# Altium PCB PCB1.PcbDoc (part 1 of 2) (continued)
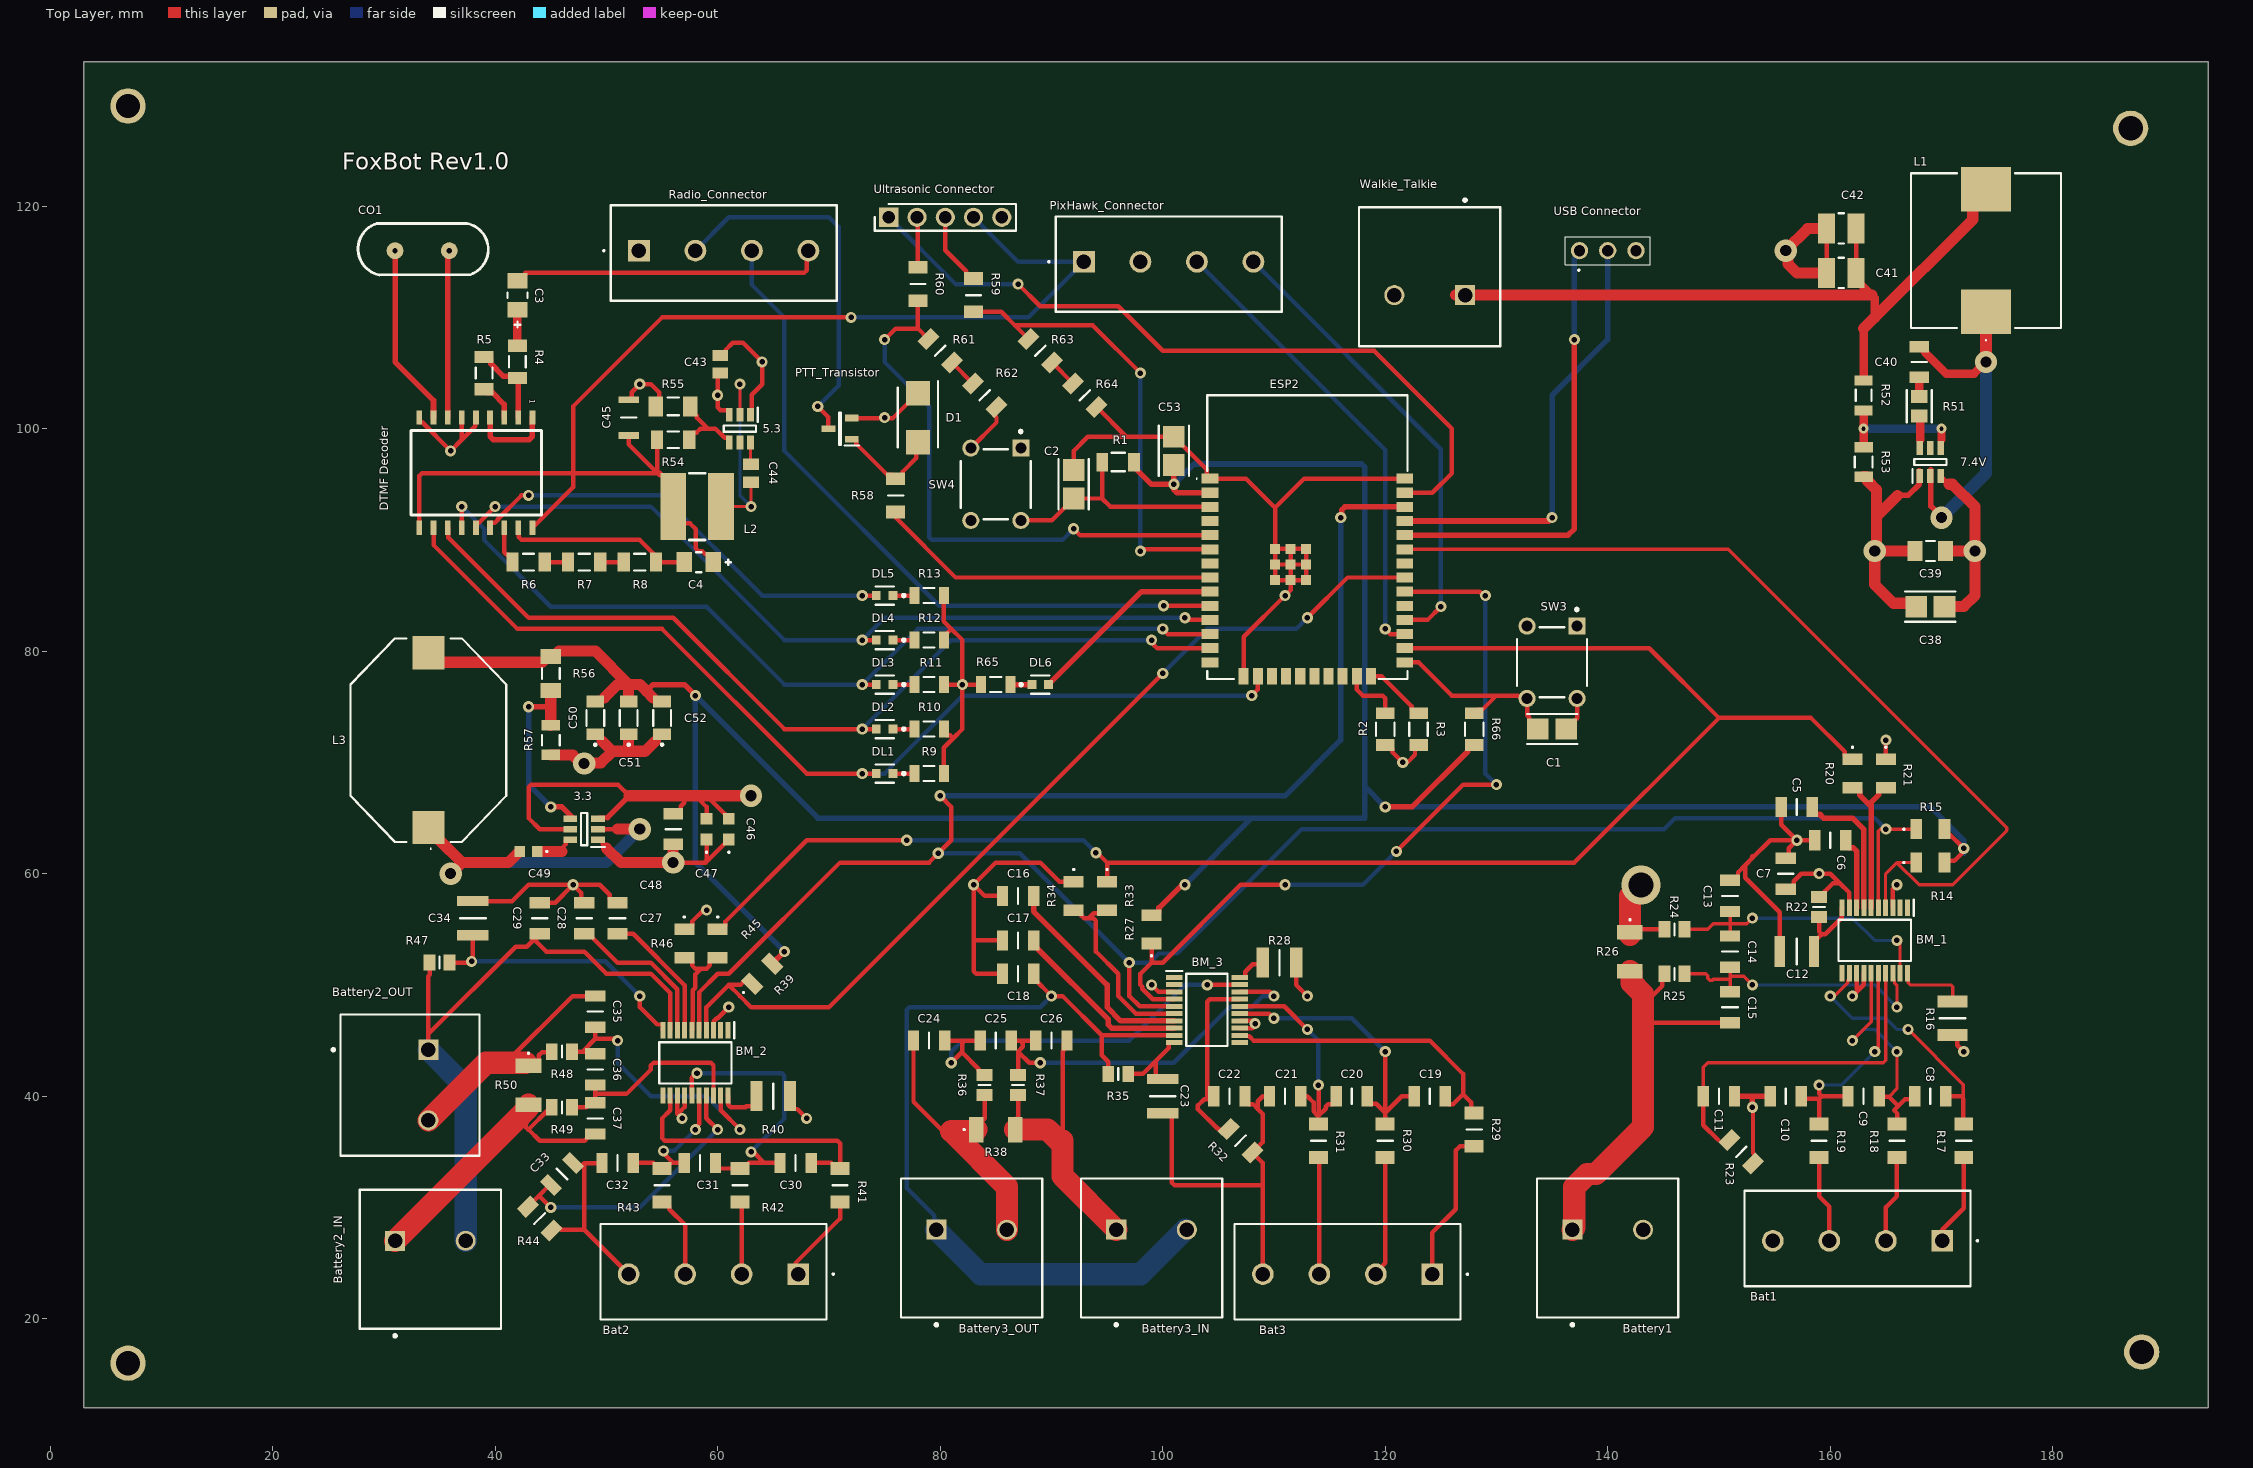
[diagram p0: Top Layer view]
## Design rules (kind name [scope] priority, off if disabled: settings)
Clearance [All] p1: gap=0.127 ignorepadtopadclearanceinfootprint=FALSE
ComponentClearance [All] p1 off: gap=0.254 collisioncheckmode=3 verticalgap=0.254 showdistances=FALSE
DiffPairsRouting [All] p1: maxlimit=0.406 minlimit=0.33 mostfreqgap=0.406 toplayer_maxgap=0.33 toplayer_prefgap=0.33 toplayer_minwidth=0.188 toplayer_maxwidth=0.33 toplayer_prefwidth=0.188 midlayer1_mingap=0.406 midlayer1_minwidth=0.152 midlayer1_maxwidth=0.152 midlayer1_prefwidth=0.152 midlayer2_mingap=0.406 midlayer2_minwidth=0.152 midlayer2_maxwidth=0.152 midlayer2_prefwidth=0.152 bottomlayer_maxgap=0.33 bottomlayer_prefgap=0.33 bottomlayer_minwidth=0.188 bottomlayer_maxwidth=0.33 bottomlayer_prefwidth=0.188 maxuncoupledlength=12.7
FabricationTestPointUsage TestPointUsage [All] p1: valid=0 allowmultiple=FALSE
FabricationTestpoint Testpoint [All] p1: side=3 testpointundercomponent=TRUE minsize=1.016 maxsize=2.54 preferedsize=1.524 minholesize=0.508 maxholesize=1.016 preferedholesize=0.813 testpointgrid=0.025 allowsidetop=TRUE allowsidebottom=TRUE usegrid=TRUE gridtolerance=0
Height [All] p1 off: minheight=0 maxheight=25.4 prefheight=12.7
HoleSize [All] p1: absolutevalues=TRUE maxlimit=20.32 minlimit=0.254 maxpercent=80.000 minpercent=20.000
MatchedLengths MatchedLengths_I210Rx [InNetClass('I210Rx')] p1: tolerance=0.127 checknetsindiffpair=FALSE checkdiffpairvsdiffpair=TRUE checkxsignals=TRUE checkothers=TRUE
MatchedLengths MatchedLengths_I210Tx [InNetClass('I210Tx')] p2: tolerance=0.127 checknetsindiffpair=FALSE checkdiffpairvsdiffpair=TRUE checkxsignals=TRUE checkothers=TRUE
MatchedLengths MatchedLengths_mSATARx [InNetClass('mSATARx')] p3: tolerance=0.635 checknetsindiffpair=FALSE checkdiffpairvsdiffpair=TRUE checkxsignals=TRUE checkothers=TRUE
MatchedLengths MatchedLengths_mSATATx [InNetClass('mSATATx')] p4: tolerance=0.635 checknetsindiffpair=FALSE checkdiffpairvsdiffpair=TRUE checkxsignals=TRUE checkothers=TRUE
MatchedLengths MatchedLengths_PCIECLK [InNetClass('PCIECLK')] p5: tolerance=0.635 checknetsindiffpair=FALSE checkdiffpairvsdiffpair=TRUE checkxsignals=TRUE checkothers=TRUE
MatchedLengths MatchedLengths_PCIETx [InNetClass('PCIETx')] p6: tolerance=0.127 checknetsindiffpair=FALSE checkdiffpairvsdiffpair=TRUE checkxsignals=TRUE checkothers=TRUE
MatchedLengths MatchedLengths_PCIERx [InNetClass('PCIERx')] p7: tolerance=0.127 checknetsindiffpair=FALSE checkdiffpairvsdiffpair=TRUE checkxsignals=TRUE checkothers=TRUE
MinimumSolderMaskSliver [All] p1: minsoldermaskwidth=0.127
PlaneConnect [All] p1: planeconnectstyle=Relief reliefexpansion=0.508 reliefentries=4 reliefconductorwidth=0.381 reliefairgap=0.254
PolygonConnect [All] p1: connectstyle=Direct reliefconductorwidth=0.508 reliefentries=4 polygonreliefangle="90 Angle" airgapwidth=0.762
RoutingVias [All] p1: holewidth=0.508 width=1.016 viastyle="Through Hole" minholewidth=0.381 minwidth=0.889 maxholewidth=0.711 maxwidth=1.27
SilkToSilkClearance [All] p1: silktosilkclearance=0.127
SilkToSolderMaskClearance SilkscreenOverComponentPads [IsPad] p1: minsilkscreentomaskgap=0.127 clearancetoexposedcopper=TRUE
SolderMaskExpansion [All] p1: expansion=0.102 istentingtop=FALSE
SupplyNets "Schematic Supply Nets_33" [InNet('Morse_LED')] p1: voltage=0.000
SupplyNets "Schematic Supply Nets_32" [InNet('Q4')] p2: voltage=0.000
SupplyNets "Schematic Supply Nets_31" [InNet('RX_USB')] p3: voltage=0.000
SupplyNets "Schematic Supply Nets_30" [InNet('TX_USB')] p4: voltage=0.000
SupplyNets "Schematic Supply Nets_29" [InNet('Q2')] p5: voltage=0.000
SupplyNets "Schematic Supply Nets_28" [InNet('GND_MIC')] p6: voltage=0.000
SupplyNets "Schematic Supply Nets_27" [InNet('Q1')] p7: voltage=0.000
SupplyNets "Schematic Supply Nets_26" [InNet('Q3')] p8: voltage=0.000
SupplyNets "Schematic Supply Nets_25" [InNet('BM_SCL')] p9: voltage=0.000
SupplyNets "Schematic Supply Nets_24" [InNet('VCC_Bat2')] p10: voltage=0.000
SupplyNets "Schematic Supply Nets_23" [InNet('BM3_SDA')] p11: voltage=0.000
SupplyNets "Schematic Supply Nets_22" [InNet('US_Echo2')] p12: voltage=0.000
SupplyNets "Schematic Supply Nets_21" [InNet('VCC_Bat3')] p13: voltage=0.000
SupplyNets "Schematic Supply Nets_20" [InNet('BM_trig')] p14: voltage=0.000
SupplyNets "Schematic Supply Nets_19" [InNet('US_Echo1')] p15: voltage=0.000
SupplyNets "Schematic Supply Nets_18" [InNet('GND_BAT_2')] p16: voltage=0.000
SupplyNets "Schematic Supply Nets_17" [InNet('US_Trig')] p17: voltage=0.000
SupplyNets "Schematic Supply Nets_16" [InNet('7.4V')] p18: voltage=0.000
SupplyNets "Schematic Supply Nets_15" [InNet('BM2_SDA')] p19: voltage=0.000
SupplyNets "Schematic Supply Nets_14" [InNet('Ultra_Echo_1')] p20: voltage=0.000
SupplyNets "Schematic Supply Nets_12" [InNet('RX_PIX')] p21: voltage=0.000
SupplyNets "Schematic Supply Nets_11" [InNet('TX_PIX')] p22: voltage=0.000
SupplyNets "Schematic Supply Nets_10" [InNet('BM1_SDA')] p23: voltage=0.000
SupplyNets "Schematic Supply Nets_9" [InNet('Transmit_DAC')] p24: voltage=0.000
SupplyNets "Schematic Supply Nets_8" [InNet('PTT_Trans')] p25: voltage=0.000
SupplyNets "Schematic Supply Nets_7" [InNet('GND_BAT_3')] p26: voltage=0.000
SupplyNets "Schematic Supply Nets_6" [InNet('3V3')] p27: voltage=0.000
SupplyNets "Schematic Supply Nets_5" [InNet('GND_BAT_1')] p28: voltage=0.000
SupplyNets "Schematic Supply Nets_4" [InNet('Ultra_Echo_2')] p29: voltage=0.000
SupplyNets "Schematic Supply Nets_3" [InNet('5.3V')] p30: voltage=0.000
SupplyNets "Schematic Supply Nets_2" [InNet('Radio_IN')] p31: voltage=0.000
SupplyNets "Schematic Supply Nets_1" [InNet('VCC')] p32: voltage=0.000
SupplyNets "Schematic Supply Nets" [InNet('GND')] p33: voltage=0.000
Width [All] p1: maxlimit=12.7 minlimit=0.127 preferedwidth=0.254
20 further rules are at their usual default settings.

## Components (designator, comment, footprint, x,y, rotation, side; value= is the part's Value field where it differs from the comment)
3.3 "TPS565201DDCR" TPS565201DDCR 48,64 r180 top
5.3 "TPS54308" TPS54308 62,100 r270 top
7.4V "TPS56339DDCR" TPS56339DDCR 169,97 r90 top
Bat1 "1731857" 1731857 170.08,27 r180 top
Bat2 "1731857" 1731857 67.24,24 r180 top
Bat3 "1731857" 1731857 124.24,24 r180 top
Battery1 "1714955" PHOE-1714955_V 140,28 r0 top
Battery2_IN "1714955" PHOE-1714955_V 34.175,27 r0 top
Battery2_OUT "1714955" PHOE-1714955_V 34,41 r270 top
Battery3_IN "1714955" PHOE-1714955_V 99,28 r0 top
Battery3_OUT "1714955" PHOE-1714955_V 82.825,28 r0 top
BM_1 "BQ7692003PWR" BQ7692003PWR 164,54 r270 top
BM_2 "BQ7692003PWR" BQ7692003PWR 58,43 r270 top
BM_3 "BQ7692003PWR" BQ7692003PWR 103.974,47.75 r0 top
C1 "100 nF 250V" FP-C3216-160-0_2-IPC_A 135,73 r180 top
C2 "100 nF 250V" FP-C3216-160-0_2-IPC_A 92,95 r270 top
C3 "10uF" FP-TAJA-MFG 42,112 r270 top
C4 "10uF" FP-TAJA-MFG 58.3,88 r0 top
C5 "12065C105JAZ2A" 12065C105JAZ2A 157,66 r0 top
C6 "12065C475K4Z2A" 12065C475K4Z2A 160,63 r0 top
C7 "12065C105JAZ2A" 12065C105JAZ2A 156,60 r270 top
C8 "12065C105JAZ2A" 12065C105JAZ2A 169,40 r0 top
C9 "12065C105JAZ2A" 12065C105JAZ2A 163,40 r0 top
C10 "12065C105JAZ2A" 12065C105JAZ2A 156,40 r0 top
C11 "12065C105JAZ2A" 12065C105JAZ2A 150,40 r0 top
C12 "C3225X7R2A106K250AC" C3225X7R2A106K250AC 157,53 r0 top
C13 "C1206C104K5RAC7867" C1206C104K5RAC7867 151,58 r270 top
C14 "C1206C104K5RAC7867" C1206C104K5RAC7867 151,53 r270 top
C15 "C1206C104K5RAC7867" C1206C104K5RAC7867 151,48 r270 top
C16 "12065C105JAZ2A" 12065C105JAZ2A 87,58 r0 top
C17 "12065C475K4Z2A" 12065C475K4Z2A 87,54 r0 top
C18 "12065C105JAZ2A" 12065C105JAZ2A 87,51 r0 top
C19 "12065C105JAZ2A" 12065C105JAZ2A 124,40 r0 top
C20 "12065C105JAZ2A" 12065C105JAZ2A 117,40 r0 top
C21 "12065C105JAZ2A" 12065C105JAZ2A 111,40 r0 top
C22 "12065C105JAZ2A" 12065C105JAZ2A 106,40 r0 top
C23 "C3225X7R2A106K250AC" C3225X7R2A106K250AC 100,40 r90 top
C24 "C1206C104K5RAC7867" C1206C104K5RAC7867 79,45 r0 top
C25 "C1206C104K5RAC7867" C1206C104K5RAC7867 85,45 r0 top
C26 "C1206C104K5RAC7867" C1206C104K5RAC7867 90,45 r0 top
C27 "12065C105JAZ2A" 12065C105JAZ2A 51,56 r270 top
C28 "12065C475K4Z2A" 12065C475K4Z2A 48,56 r270 top
C29 "12065C105JAZ2A" 12065C105JAZ2A 44,56 r270 top
C30 "12065C105JAZ2A" 12065C105JAZ2A 67,34 r0 top
C31 "12065C105JAZ2A" 12065C105JAZ2A 58.4,34 r0 top
C32 "12065C105JAZ2A" 12065C105JAZ2A 51,34 r0 top
C33 "12065C105JAZ2A" 12065C105JAZ2A 46,33 r45 top
C34 "C3225X7R2A106K250AC" C3225X7R2A106K250AC 38,56 r270 top
C35 "C1206C104K5RAC7867" C1206C104K5RAC7867 49,47.6 r270 top
C36 "C1206C104K5RAC7867" C1206C104K5RAC7867 49,42.4 r270 top
C37 "C1206C104K5RAC7867" C1206C104K5RAC7867 49,38 r270 top
C38 "C3216X5R1E336M160AC" FP-C3216-160-0_2-IPC_A 169,84 r180 top
C39 "GRM31C5C1H104JA01K" FP-GRM31C-0_2-e0_3_0_8-IPC_B 169,89 r180 top
C40 "GRM319R72A104KA01D" GRM319R72A104KA01D 168,106 r90 top
C41 "TMK325B7226KMHP" FP-1210-L_3_2_0_3-W_2_5_0-IPC_B 161,114 r180 top
C42 "TMK325B7226KMHP" FP-1210-L_3_2_0_3-W_2_5_0-IPC_B 161,118 r180 top
C43 "TMK212BJ474KD-T" TMK212BJ474KD-T 60.215,105.79 r270 top
C44 "08053C104KAT2A" 08053C104KAT2A 63,96 r270 top
C45 "C3216X5R1E336M160AC" C3216X5R1E336M160AC 52,101 r270 top
C46 "C2012X5R1V106K085AC" C2012X5R1V106K085AC 61,64 r90 top
C47 "C2012X5R1V106K085AC" C2012X5R1V106K085AC 59,64 r90 top
C48 "GRM32NR72A104KA01L" GRM319R72A104KA01D 56,64 r90 top
C49 "C0603C104M3VACTU" C0603C104M3VACTU 43,62 r180 top
C50 "GRM31CR71A226KE15L" GRM31CR71A226KE15L 49,74 r90 top
C51 "GRM31CR71A226KE15L" GRM31CR71A226KE15L 52,74 r90 top
C52 "GRM31CR71A226KE15L" GRM31CR71A226KE15L 55,74 r90 top
C53 "100 nF 250V" FP-C3216-160-0_2-IPC_A 101,98 r90 top
CO1 "=value" A-3.579545-18 35.953,116 r180 top
D1 "TPSMB75A-L" TPSMB75A-L 78,101 r270 top
DL1 "Red/Clear LED" FP-LTST-C190KRKT-MFG 75,69 r180 top
DL2 "Red/Clear LED" FP-LTST-C190KRKT-MFG 75,73 r180 top
DL3 "Red/Clear LED" FP-LTST-C190KRKT-MFG 75,77 r180 top
DL4 "Red/Clear LED" FP-LTST-C190KRKT-MFG 75,81 r180 top
DL5 "Red/Clear LED" FP-LTST-C190KRKT-MFG 75,85 r180 top
DL6 "Red/Clear LED" FP-LTST-C190KRKT-MFG 89,77 r0 top
"DTMF Decoder" "=value" MT8870DSR1 43.35,101 r270 top
ESP2 "ESP32-WROOM-32E-N16" ESP32WROOM32EN16 113,90 r0 top
L1 "SRP1250-7R8M" SRP1250-7R8M 174,116 r90 top
L2 "SRN6045-6R8Y" SRN6045 58.15,93 r180 top
L3 "SDR1806-2R2ML" SDR1806-2R2ML 34,72 r90 top
PixHawk_Connector "1731857" 1731857 92.92,115 r0 top
PTT_Transistor "MMBT2222ALT1G" MMBT2222ALT1G 71,100 r180 top
R1 "10k" FP-CR1206-IPC_B 96,97 r180 top
R2 "10k" FP-CR1206-IPC_B 120,73 r90 top
R3 "10k" FP-CR1206-IPC_B 123,73 r90 top
R4 "100k" RESC3216X60X45NL10T20 42,106 r270 top
R5 "100k" RESC3216X60X45NL10T20 39,105 r270 top
R6 "100k" RESC3216X60X45NL10T20 43,88 r0 top
R7 "100k" RESC3216X60X45NL10T20 48,88 r0 top
R8 "100k" RESC3216X60X45NL10T20 53,88 r0 top
R9 "470ohm" RESC3216X70X50LL05T20 79,69 r180 top
R10 "470ohm" RESC3216X70X50LL05T20 79,73 r180 top
R11 "470ohm" RESC3216X70X50LL05T20 79,77 r180 top
R12 "470ohm" RESC3216X70X50LL05T20 79,81 r180 top
R13 "470ohm" RESC3216X70X50LL05T20 79,85 r180 top
R14 "RCC120610K0FKEA" RCC120610K0FKEA 169,61 r0 top
R15 "RCC120610K0FKEA" RCC120610K0FKEA 169,64 r0 top
R16 "CRCW12101M00FKEAHP" CRCW12101M00FKEAHP 171,47 r270 top
R17 "ERA-8AEB102V" ERA-8AEB102V 172,36 r270 top
R18 "ERA-8AEB102V" ERA-8AEB102V 166,36 r270 top
R19 "ERA-8AEB102V" ERA-8AEB102V 159,36 r270 top
R20 "RCC120610K0FKEA" RCC120610K0FKEA 162,69 r270 top
R21 "RCC120610K0FKEA" RCC120610K0FKEA 165,69 r270 top
R22 "RN73C2A100RBTDF" RN73C2A100RBTDF 159,57 r270 top
R23 "ERA-8AEB102V" ERA-8AEB102V 152,35 r315 top
R24 "RN73C2A100RBTDF" RN73C2A100RBTDF 146,55 r0 top
R25 "RN73C2A100RBTDF" RN73C2A100RBTDF 146,51 r0 top
R26 "ERJ-L14KJ20MU" ERJ-L14KJ20MU 142,53 r270 top
R27 "RCC120610K0FKEA" RCC120610K0FKEA 99,55 r90 top
R28 "CRCW12101M00FKEAHP" CRCW12101M00FKEAHP 110.5,52 r0 top
R29 "ERA-8AEB102V" ERA-8AEB102V 128,37 r270 top
R30 "ERA-8AEB102V" ERA-8AEB102V 120,36 r270 top
R31 "ERA-8AEB102V" ERA-8AEB102V 114,36 r270 top
R32 "ERA-8AEB102V" ERA-8AEB102V 107,36 r315 top
R33 "RCC120610K0FKEA" RCC120610K0FKEA 95,58 r270 top
R34 "RCC120610K0FKEA" RCC120610K0FKEA 92,58 r270 top
R35 "RN73C2A100RBTDF" RN73C2A100RBTDF 96,42 r0 top
R36 "RN73C2A100RBTDF" RN73C2A100RBTDF 84,41 r90 top
R37 "RN73C2A100RBTDF" RN73C2A100RBTDF 87,41 r90 top
R38 "ERJ-L14KJ20MU" ERJ-L14KJ20MU 85,37 r0 top
R39 "RCC120610K0FKEA" RCC120610K0FKEA 64,51 r45 top
R40 "CRCW12101M00FKEAHP" CRCW12101M00FKEAHP 65,40 r0 top
R41 "ERA-8AEB102V" ERA-8AEB102V 71,32 r270 top
R42 "ERA-8AEB102V" ERA-8AEB102V 62,32 r270 top
R43 "ERA-8AEB102V" ERA-8AEB102V 55,32 r270 top
R44 "ERA-8AEB102V" ERA-8AEB102V 44,29 r315 top
R45 "RCC120610K0FKEA" RCC120610K0FKEA 60,53.725 r270 top
R46 "RCC120610K0FKEA" RCC120610K0FKEA 57,53.725 r270 top
R47 "RN73C2A100RBTDF" RN73C2A100RBTDF 35,52 r0 top
R48 "RN73C2A100RBTDF" RN73C2A100RBTDF 46,44 r0 top
R49 "RN73C2A100RBTDF" RN73C2A100RBTDF 46,39 r0 top
R50 "ERJ-L14KJ20MU" ERJ-L14KJ20MU 43,41 r270 top
R51 "RR1220Q-300-D" FP-RR1220-IPC_B 168,102 r90 top
R52 "CRCW120682K5FKEA" RESC3216X60X45LL10T20 163,103 r90 top
R53 "CRCW120610K0FKEA" FP-CRCW1206-e3-IPC_C 163,97 r90 top
R54 "CRCW1206100KFKEA" RESC3216X60X45NL10T20 56,99 r180 top
R55 "CRCW120612K7FKEA" RESC3216X60X45ML10T20 56,102 r0 top
R56 "CRCW120633K2FKEA" FP-CRCW1206-e3-IPC_A 45,78 r90 top
R57 "CRCW120610K0FKEA" FP-CRCW1206-e3-IPC_C 45,72 r90 top
R58 "ERA-8AEB102V" ERA-8AEB102V 76,94 r270 top
R59 "ERA-8AEB102V" ERA-8AEB102V 83,112 r270 top
R60 "ERA-8AEB102V" ERA-8AEB102V 78,113 r270 top
R61 "ERA-8AEB102V" ERA-8AEB102V 80,107 r315 top
R62 "ERA-8AEB102V" ERA-8AEB102V 84,103 r315 top
R63 "ERA-8AEB102V" ERA-8AEB102V 89,107 r315 top
R64 "ERA-8AEB102V" ERA-8AEB102V 93,103 r315 top
R65 "470ohm" RESC3216X70X50LL05T20 85,77 r0 top
R66 "10k" FP-CR1206-IPC_B 128,73 r270 top
Radio_Connector "1731857" 1731857 52.92,116 r0 top
SW3 "3-1825910-1" FP-3-1825910-1-MFG 135,79 r270 top
SW4 "3-1825910-1" FP-3-1825910-1-MFG 85,95 r270 top
"Ultrasonic Connector" "68000-105HTLF" 68000-105HTLF 75.38,119 r0 top
"USB Connector" "TSW-103-07-T-S" TSW-103-07-T-S 137.46,116 r0 top
Walkie_Talkie "1714955" PHOE-1714955_V 124,112 r180 top
? "Comment" MTH3P2MM 188,17 r0 top
? "Comment" MTH3P2MM 7,16 r0 top
? "Comment" MTH3P2MM 7,129 r0 top
? "Comment" MTH3P2MM 187,127 r0 top

## Footprints (in the part's own frame and the unit in brackets; to place one, negate y for a bottom-side part, rotate by r counter-clockwise, add the part's x,y. Pads: shape width x height; smd on the part's side, far side on the other; paste and mask are expansions set on the pad)
08053C104KAT2A [mm]
  rect 1.02x1.47 smd: 1(-0.81,0) 2(0.81,0)
  body extent -1,-0.63 1,0.63, height 0.94
12065C105JAZ2A [mm]
  rect 1.02x1.82 smd: 1(-1.4,0) 2(1.4,0)
  silkscreen extent 0,-0.7 0,0.7, body extent -1.6,-0.8 1.6,0.8, height 1.78
12065C475K4Z2A [mm]
  rect 1.02x1.82 smd: 1(-1.4,0) 2(1.4,0)
  silkscreen extent 0,-0.7 0,0.7, body extent -1.6,-0.8 1.6,0.8, height 1.78
68000-105HTLF [mm]
  rect 1.725x1.725 hole 1.15: 1(0,0)
  round 1.725 hole 1.15: 2(2.54,0) 3(5.08,0) 4(7.62,0) 5(10.16,0)
  silkscreen extent -1.27,-1.2 11.43,1.2, body extent -1.27,-1.2 11.43,1.2, height 8.58
1731857 [mm]
  rect 1.95x1.95 hole 1.3: 1(0,0)
  round 1.95 hole 1.3: 2(5.08,0) 3(10.16,0) 4(15.24,0)
  silkscreen extent -3.2,-4.5 17.78,4.08, body extent -2.54,-4.11 18.35,4.49, height 19.45
A-3.579545-18 [mil]
  round 60 hole 19: 1(2.87,0) 2(195,0)
  silkscreen extent -135,-96 326,86, body extent -127,-100 327,101, height 531
BQ7692003PWR [mm]
  rect 1.475x0.45 smd: 1(-2.938,2.925) 2(-2.938,2.275) 3(-2.938,1.625) 4(-2.938,0.975) 5(-2.938,0.325) 6(-2.938,-0.325) 7(-2.938,-0.975) 8(-2.938,-1.625) 9(-2.938,-2.275) 10(-2.938,-2.925) 11(2.938,-2.925) 12(2.938,-2.275) 13(2.938,-1.625) 14(2.938,-0.975) 15(2.938,-0.325) 16(2.938,0.325) 17(2.938,0.975) 18(2.938,1.625) 19(2.938,2.275) 20(2.938,2.925)
  silkscreen extent -3.67,-3.25 1.85,3.5, body extent -3.2,-3.25 3.2,3.25, height 1.13
C0603C104M3VACTU [mm]
  rect 0.95x1 smd: 1(-0.8,0) 2(0.8,0)
  silkscreen extent -1.7,-0.05 -1.6,0.05, body extent -0.87,-0.48 0.88,0.47, height 0.9
C1206C104K5RAC7867 [mm]
  rect 1.02x1.82 smd: 1(-1.4,0) 2(1.4,0)
  silkscreen extent 0,-0.7 0,0.7, body extent -1.7,-0.9 1.7,0.9, height 0.88
C2012X5R1V106K085AC [mm]
  rect 1.05x1.05 smd: 1(-0.925,0) 2(0.925,0)
  silkscreen extent -2.12,-0.05 -2.03,0.05, body extent -0.96,-0.8 1.04,0.8, height 1.25
C3216X5R1E336M160AC [mm]
  rect 0.62x1.82 smd: 1(-1.6,0) 2(1.6,0)
  silkscreen extent 0,-0.7 0,0.7, body extent -1.65,-0.8 1.55,0.8, height 1.6
C3225X7R2A106K250AC [mm]
  rect 0.92x2.82 smd: 1(-1.54,0) 2(1.54,0)
  silkscreen extent 0,-1.15 0,1.15, body extent -1.6,-1.25 1.6,1.25, height 2.5
CRCW12101M00FKEAHP [mm]
  rect 1.1x2.7 smd: 1(-1.5,0) 2(1.5,0)
  silkscreen extent 0,-1.15 0,1.15, body extent -1.6,-1.25 1.6,1.25, height 0.7
ERA-8AEB102V [mm]
  rect 1.15x1.7 smd: 1(-1.5,0) 2(1.5,0)
  silkscreen extent 0,-0.67 0,0.67, body extent -1.6,-0.8 1.6,0.8, height 0.6
ERJ-L14KJ20MU [mm]
  rect 1.3x2.3 smd: 1(-1.75,0) 2(1.75,0)
  silkscreen extent -2.9,-0.05 -2.8,0.05, body extent -1.6,-1.25 1.6,1.25, height 0.6
ESP32WROOM32EN16 [mm]
  rect 1.5x0.9 smd: 1(-8.75,5.51) 2(-8.75,4.24) 3(-8.75,2.97) 4(-8.75,1.7) 5(-8.75,0.43) 6(-8.75,-0.84) 7(-8.75,-2.11) 8(-8.75,-3.38) 9(-8.75,-4.65) 10(-8.75,-5.92) 11(-8.75,-7.19) 12(-8.75,-8.46) 13(-8.75,-9.73) 14(-8.75,-11) 25(8.75,-11) 26(8.75,-9.73) 27(8.75,-8.46) 28(8.75,-7.19) 29(8.75,-5.92) 30(8.75,-4.65) 31(8.75,-3.38) 32(8.75,-2.11) 33(8.75,-0.84) 34(8.75,0.43) 35(8.75,1.7) 36(8.75,2.97) 37(8.75,4.24) 38(8.75,5.51)
  rect 0.9x1.5 smd: 15(-5.715,-12.25) 16(-4.445,-12.25) 17(-3.175,-12.25) 18(-1.905,-12.25) 19(-0.635,-12.25) 20(0.635,-12.25) 21(1.905,-12.25) 22(3.175,-12.25) 23(4.445,-12.25) 24(5.715,-12.25)
  rect 0.9x0.9 smd: 39(-1.5,-2.21) 40(-1.5,-0.81) 41(-2.9,-0.81) 42(-2.9,-2.21) 43(-2.9,-3.61) 44(-1.5,-3.61) 45(-0.1,-3.61) 46(-0.1,-2.21) 47(-0.1,-0.81)
  silkscreen extent -10,-12.5 9,13, body extent -9,-12.75 9,12.75, height 4.05
FP-3-1825910-1-MFG [mm]
  rect 1.54x1.54 hole 0.99 paste-2539.97 mask+0: 1(-3.25,2.25)
  round 1.54 hole 0.99 paste-2539.97 mask+0: 2(3.25,2.25) 3(-3.25,-2.25) 4(3.25,-2.25)
  silkscreen extent -4.87,-3.15 3.15,3.15, body extent -4.12,-3.24 4.12,3.24, height 0.25
FP-1210-L_3_2_0_3-W_2_5_0-IPC_B [mm]
  rect 1.553x2.706 smd paste+0 mask+0: 1(-1.325,0) 2(1.325,0)
  silkscreen extent -0.25,-1.35 0.25,1.35, body extent -2.35,-1.6 2.35,1.6, height 0.25
FP-C3216-160-0_2-IPC_A [mm]
  rect 1.954x1.906 smd paste+0 mask+0: 1(-1.276,0) 2(1.276,0)
  silkscreen extent -2.25,-1.35 2.25,1.35, body extent -2.75,-1.45 2.75,1.45, height 0.25
FP-CR1206-IPC_B [mm]
  rect 1.058x1.662 smd paste+0 mask+0: 1(-1.427,0) 2(1.427,0)
  silkscreen extent -0.6,-0.83 0.6,0.83, body extent -2.21,-1.08 2.21,1.08, height 0.25
FP-CRCW1206-e3-IPC_A [mm]
  rect 1.356x1.858 smd paste+0 mask+0: 1(-1.526,0) 2(1.526,0)
  silkscreen extent -0.47,-0.8 0.47,0.8, body extent -2.7,-1.43 2.7,1.43, height 0.25
FP-CRCW1206-e3-IPC_C [mm]
  rect 0.956x1.658 smd paste+0 mask+0: 1(-1.326,0) 2(1.326,0)
  silkscreen extent -0.47,-0.8 0.47,0.8, body extent -1.9,-0.98 1.9,0.97, height 0.25
FP-GRM31C-0_2-e0_3_0_8-IPC_B [mm]
  rect 1.355x1.806 smd paste+0 mask+0: 1(-1.376,0) 2(1.376,0)
  silkscreen extent -0.4,-0.9 0.4,0.9, body extent -2.3,-1.15 2.3,1.15, height 0.25
FP-LTST-C190KRKT-MFG [mm]
  rect 0.8x0.8 smd paste+0 mask+0: 1(-0.75,0) 2(0.75,0)
  silkscreen extent -1.86,-0.82 0.82,0.82, body extent -1.25,-0.55 1.25,0.55, height 0.25
FP-RR1220-IPC_B [mm]
  rect 1.155x1.456 smd paste+0 mask+0: 1(-0.876,0) 2(0.876,0)
  silkscreen extent -1.45,-1.13 1.45,1.13, body extent -1.7,-0.98 1.7,0.98, height 0.25
FP-TAJA-MFG [mm]
  rect 1.4x1.8 smd paste+0 mask+0: 1(-1.3,0) 2(1.3,0)
  silkscreen extent -0.23,-0.9 2.9,0.9, body extent -2.1,-1 2.1,1, height 0.25
GRM31CR71A226KE15L [mm]
  rect 1.05x1.6 smd: 1(-1.475,0) 2(1.475,0)
  silkscreen extent -2.5,-0.8 0.7,0.8, body extent -1.6,-0.8 1.6,0.8, height 1
GRM319R72A104KA01D [mm]
  rect 1.04x1.78 smd: 1(-1.37,0) 2(1.37,0)
  silkscreen extent 0,-0.7 0,0.7, body extent -1.6,-0.8 1.6,0.8, height 0.95
MMBT2222ALT1G [mm]
  rect 1.25x0.6 smd: 1(-1.05,0.955) 2(-1.05,-0.955) 3(1.05,0)
  silkscreen extent -1.68,-1.46 0.08,1.51, body extent -1.18,-1.46 1.18,1.46, height 1.11